# Altium PCB PCB1.PcbDoc (part 2 of 2)
Units mil, origin at the board's own origin, x right, y up, seen from the top; angles counter-clockwise.
Board outline 5944.88 x 3228.35 mil, 4 copper layers (Top Layer, VDD, GND, Bottom Layer), stack 23.756 mil thick; 189 components, 157 nets, 576 pads, 254 vias.
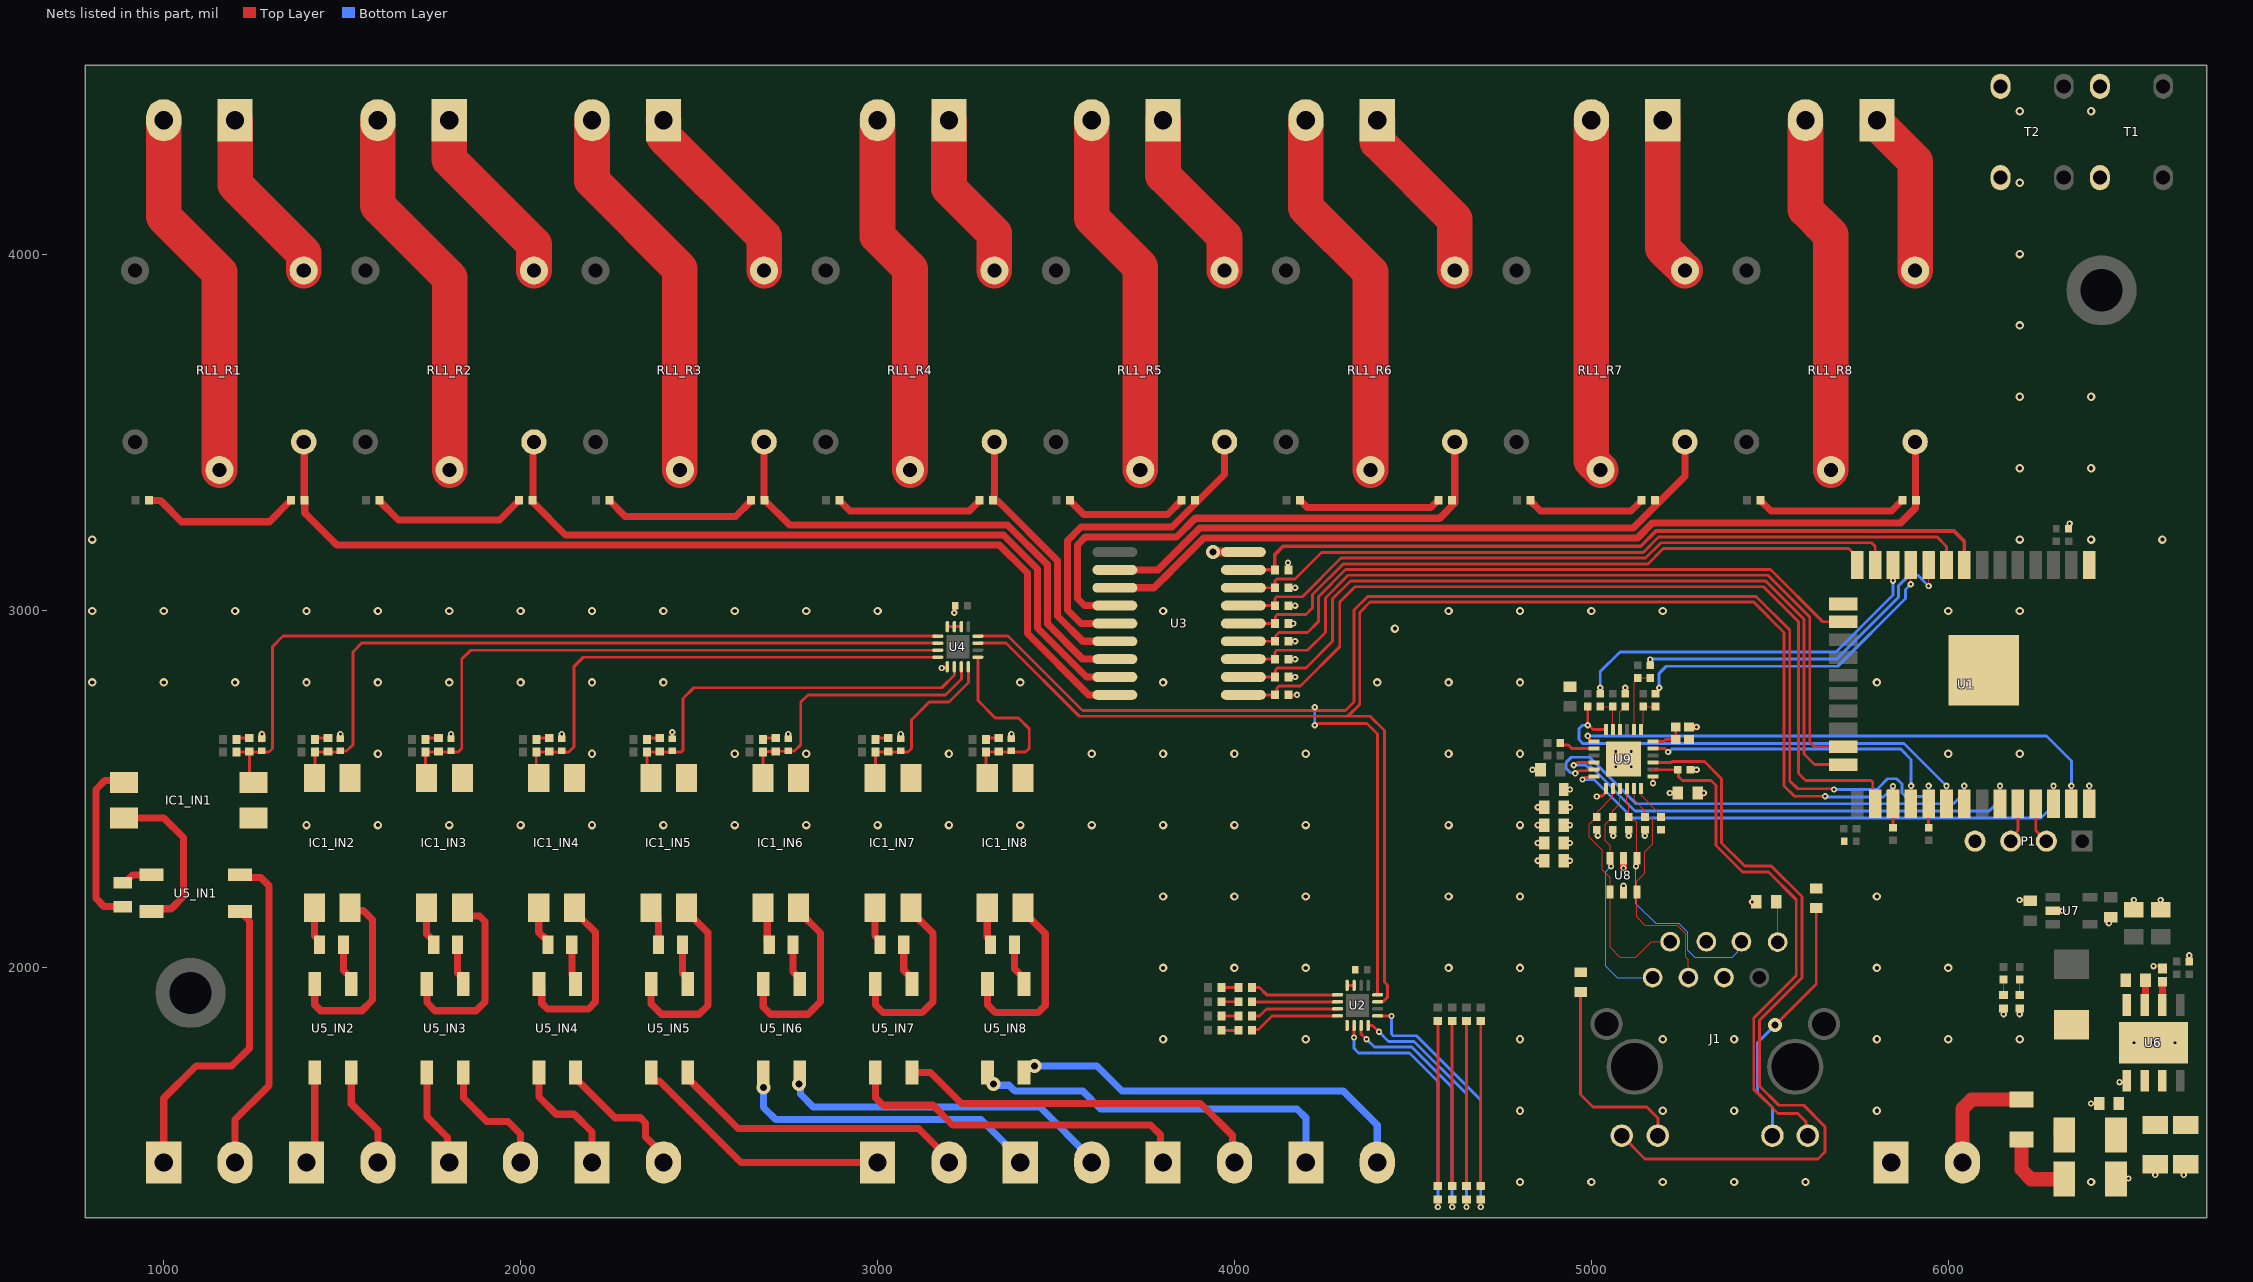
[diagram p4: the nets of this part, all layers, seen from the top]

## Via types
v1: diameter 17.72, hole 7.87, Top Layer to Bottom Layer, tented both sides, 134 vias
v2: diameter 23.62, hole 11.81, Top Layer to Bottom Layer, tented both sides, 109 vias
v3: diameter 39.37, hole 19.68, Top Layer to Bottom Layer, tented both sides, 7 vias
v4: diameter 19.68, hole 7.87, Top Layer to Bottom Layer, tented both sides, 4 vias

## Nets (pads, with @x,y where several pads share a name; then routed paths per layer and width w, separated by ;. In a path a pad name is that pad's centre, name@x,y a point inside that pad or via, vN(x,y) a via of type N, cw(c..) or ccw(c..) an arc to the next point about the centre after c; other vN are vias at no path point) (continued)
GND: C1.2 C2.2 C3.2 C4.2 C5_IN1.2 C5_IN2.2 C5_IN3.2 C5_IN4.2 C5_IN5.2 C5_IN6.2 C5_IN7.2 C5_IN8.2 C7.1 C8.1 C9.1 C10.1 C11.1 C12.2 C13.1 C14.1 C15.1 C16.1 C17.1 C18.1 C19.1 C20.2 C21.1 C22.1 C23.1 C24.1 D12.2 D13.C D14.C IC1_IN1.3 IC1_IN2.3 IC1_IN3.3 IC1_IN4.3 IC1_IN5.3 IC1_IN6.3 IC1_IN7.3 IC1_IN8.3 K3.1 P1.4 R13.1 R14.1 R15.1 R16.1 R17.1 R18.1 R19.1 R20.1 R26.1 R38.1 R39.2 R42.2 R43.2 R45.1 T1.1 T1.2 T2.1 T2.2 U1.1 U1.15 U1.38 U1.39 U2.3 U2.4 U2.9 U3.9 U4.2 U4.3 U4.4 U4.9 U6.1 U6.9 U7.2 U8.2 U9.25 | length 1181.8
  Top Layer w3.5: v1(6155,1870) D13.C@6155,1886.1 ; v1(6200,1870) D14.C@6200,1886.1 ; R26.1@6675,2017.72 v1(6675,2035)
  Top Layer w8: C5_IN2.2@1495,2641.93 v1(1495,2655) ; C5_IN3.2@1805,2641.93 v1(1805,2655) ; C5_IN4.2@2115,2641.93 v1(2115,2655) ; C5_IN5.2@2425,2641.93 v1(2425,2660) ; C5_IN6.2@2750,2641.93 v1(2750,2655) ; C5_IN7.2@3065,2641.93 v1(3065,2655) ; v1(3180,2840) 3181.86,2841.86 3194.62,2841.86 3195.47,2842.71 U4.9@3195.47,2843.9 ; U4.4@3195.47,2956.1 U4.2@3234.84,2956.1 ; v1(3215,2995) 3216.54,2996.54 3216.54,3013.46 C4.2@3218.07,3015 ; C5_IN8.2@3375,2641.93 v1(3375,2655) ; v1(4150,3135) 4150.62,3134.38 4150.62,3115.62 R20.1@4151.23,3115 ; R13.1@4151.23,2765 v1(4175,2765) ; R14.1@4151.23,2815 v1(4170,2815) ; R15.1@4151.23,2865 v1(4170,2865) ; R16.1@4151.23,2915 v1(4170,2915) ; R17.1@4151.23,2965 v1(4165,2965) ; R18.1@4151.23,3015 v1(4170,3015) ; R19.1@4151.23,3065 v1(4170,3065) ; U2.4@4315.47,1951.1 U2.3@4335.16,1951.1 ; v1(4835,2555) C20.2@4857.44,2555 ; R42.2@5095,2767.72 v1(5095,2785) ; R45.1@5277.72,2555 v1(5295,2555) ; v1(6200,2190) 6227.56,2190 C13.1@6230,2187.56 ; U7.2@6292.83,2160 v1(6320,2160) ; C1.2@6336.93,3230 6338.46,3231.54 6338.46,3243.46 v1(6340,3245) ; U1.38@6395,2460 v1(6395,2510) ; v1(6400,1620) C9.1@6422.44,1620 ; v1(6450,2125) 6450,2137.44 C14.1@6455,2142.44 ; D12.2@6470,1407.99 6472.01,1410 v1(6505,1410) ; v1(6480,1680) 6496.3,1680 U6.1@6500,1683.7 ; v1(6520,1790) v1(6575,1790) v1(6635,1790) ; C10.1@6520,2162.4 v1(6520,2190) ; v1(6575,2005) 6593.7,2005 C12.2@6600,1998.7 ; v1(6580,1420) C8.1@6580,1449.88 ; C11.1@6595,2162.4 v1(6595,2190) ; v1(6660,1420) 6660,1444.88 C7.1@6665,1449.88
  Top Layer w20: C5_IN1.2@1275,2641.93 v1(1275,2655) ; v1(4850,2300) C17.1@4867.44,2300 ; v1(4850,2350) C16.1@4867.44,2350 ; v1(4850,2400) C18.1@4867.44,2400 ; v1(4850,2450) C15.1@4867.44,2450 ; v1(5090,2280) U8.2@5090,2307.24 ; C22.1@5273.7,2675 v1(5295,2675) ; C21.1@5297.56,2490 v1(5315,2490) ; v1(5450.86,2185) C19.1@5462.44,2185
  Top Layer w25: v3(3940,3165) U3.9@4025,3165
  other v2: 4800,1400 5000,1400 5200,1400 5400,1400 5600,1400 6400,1400 4800,1600 5200,1600 5400,1600 5800,1600 3800,1800 4200,1800 4800,1800 5200,1800 5400,1800 5800,1800 6000,1800 6200,1800 3800,2000 4000,2000 4200,2000 4600,2000 4800,2000 5800,2000 6000,2000 3800,2200 4000,2200 4200,2200 4600,2200 4800,2200 5800,2200 1400,2400 1600,2400 1800,2400 2000,2400 2200,2400 2400,2400 2600,2400 2800,2400 3000,2400 3200,2400 3400,2400 3600,2400 3800,2400 4000,2400 4200,2400 4600,2400 4800,2400 1600,2600 2200,2600 2600,2600 2800,2600 3200,2600 3600,2600 3800,2600 4000,2600 4200,2600 4600,2600 4800,2600 6000,2600 6200,2600 800,2800 1000,2800 1200,2800 1400,2800 1600,2800 1800,2800 2000,2800 2200,2800 2400,2800 3400,2800 3800,2800 4400,2800 4600,2800 4800,2800 5800,2800 4449.46,2950.54 800,3000 1000,3000 1200,3000 1400,3000 1600,3000 1800,3000 2000,3000 2200,3000 2400,3000 2600,3000 2800,3000 3000,3000 3800,3000 4600,3000 4800,3000 5000,3000 5200,3000 6000,3000 6200,3000 800,3200 6200,3200 6400,3200 6600,3200 6200,3400 6400,3400 6200,3600 6400,3600 6200,3800 6200,4000 6200,4200 6200,4400 6400,4400
  other v4: 5068.35,2563.35 5111.65,2563.35 5068.35,2606.65 5111.65,2606.65
I2C_SCL: R11.1 U1.27 U2.15 U4.15 | length 4444.1
  Top Layer w8: U4.15@3281.1,2909.84 3360.16,2909.84 3565,2705 4317.63,2705 ; U2.15@4401.1,1904.84 4401.45,1905.2 4416.53,1905.2 4428.85,1917.52 4428.85,1951.15 4420,1960 4420,2665 4380,2705 4317.63,2705 ; v1(5655,2480.86) 5569.14,2480.86 5540,2510 5540,2940 5455,3025 4380,3025 4351,2996 4351,2738.37 4317.63,2705 ; R11.1@5845,2392.72 U1.27@5845,2460 v1(5845,2509.14)
  Bottom Layer w8: v1(5655,2480.86) 5656.72,2479.14 5818.37,2479.14 5840.14,2500.91 5840.14,2501.65 5845,2506.51 v1(5845,2509.14)
I2C_SDA: R10.1 U1.29 U2.16 U4.16 | length 4674.7
  Top Layer w8: U4.16@3281.1,2929.53 3365.47,2929.53 3574,2721 4225,2721 ; v1(4225,2680) 4227.63,2680 4232.63,2685 4371.1,2685 4401.1,2655 U2.16@4401.1,1924.53 ; v1(4225,2730) 4225,2721 ; v1(5680,2500) 5678.28,2501.72 5578.28,2501.72 5556,2524 5556,2946.63 5461.63,3041 4483.63,3041 4373.37,3041 4335,3002.63 4335,2892.37 4335,2745 4311,2721 4225,2721 ; R10.1@5945,2392.72 U1.29@5945,2460 v1(5945,2510)
  Bottom Layer w8: v1(4225,2680) v1(4225,2730) ; v1(5680,2500) 5800,2500 5830,2530 5855,2530 5870,2515 5870,2490 5880,2480 5935,2480 5945,2490 v1(5945,2510)
IN_IN1_N: K1_IN1.2 U5_IN1.2 | length 908.6
  Top Layer w20: K1_IN1.2@1200,1455 1200,1575 1295,1670 1295,2230 1272.2,2252.8 1221.14,2252.8 U5_IN1.2@1213.42,2260.51
IN_IN2_N: K1_IN2.2 U5_IN2.2 | length 282.4
  Top Layer w20: U5_IN2.2@1525.51,1706.58 1525.51,1619.49 1600,1545 K1_IN2.2@1600,1455
IN_IN3_N: K1_IN3.2 U5_IN3.2 | length 353.1
  Top Layer w20: U5_IN3.2@1839.68,1706.58 1839.68,1635.32 1905,1570 1965,1570 2000,1535 K1_IN3.2@2000,1455
IN_IN4_N: K1_IN4.2 U5_IN4.2 | length 394.7
  Top Layer w20: U5_IN4.2@2153.84,1706.58 2153.84,1690.83 2264.67,1580 2335,1580 2350,1565 2350,1526.87 2400,1476.87 K1_IN4.2@2400,1455
IN_IN5_N: K1_IN5.2 U5_IN5.2 | length 851.2
  Top Layer w20: U5_IN5.2@2468.01,1706.58 2468.01,1690.83 2608.84,1550 3114.84,1550 3200,1464.84 K1_IN5.2@3200,1455
IN_IN6_N: K1_IN6.2 U5_IN6.2 | length 931.5
  Bottom Layer w20: v3(2780,1675) 2783.71,1671.29 2783.71,1646.29 2820,1610 3454.84,1610 3600,1464.84 K1_IN6.2@3600,1455
IN_IN7_N: K1_IN7.2 U5_IN7.2 | length 1048.9
  Top Layer w20: U5_IN7.2@3096.34,1706.58 3148.43,1706.58 3235,1620 3905,1620 3994.07,1530.93 3994.07,1460.93 K1_IN7.2@4000,1455
IN_IN8_N: K1_IN8.2 U5_IN8.2 | length 1133.3
  Bottom Layer w20: v3(3440,1725) 3615,1725 3685,1655 4305,1655 4400,1560 K1_IN8.2@4400,1455
IN_L_IN1: K1_IN1.1 U5_IN1.1 | length 898.8
  Top Layer w20: K1_IN1.1@1000,1455 1000,1635 1090,1725 1190,1725 1240,1775 1240,2131.57 U5_IN1.1@1213.42,2158.15 1229.17,2158.15 U5_IN1.1@1236.89,2150.43
IN_L_IN2: K1_IN2.1 U5_IN2.1 | length 261.2
  Top Layer w20: K1_IN2.1@1400,1455 1423.15,1478.15 U5_IN2.1@1423.15,1706.58
IN_L_IN3: K1_IN3.1 U5_IN3.1 | length 277.5
  Top Layer w20: U5_IN3.1@1737.32,1706.58 1737.32,1582.68 1795,1525 1795,1460 K1_IN3.1@1800,1455
IN_L_IN4: K1_IN4.1 U5_IN4.1 | length 342.4
  Top Layer w20: U5_IN4.1@2051.48,1706.58 2051.48,1638.52 2100,1590 2150,1590 2200,1540 K1_IN4.1@2200,1455
IN_L_IN5: K1_IN5.1 U5_IN5.1 | length 747.8
  Top Layer w20: U5_IN5.1@2365.65,1706.58 2365.65,1690.83 2373.37,1683.11 2389.11,1683.11 2617.22,1455 K1_IN5.1@3000,1455
IN_L_IN6: K1_IN6.1 U5_IN6.1 | length 845.1
  Bottom Layer w20: v3(2680,1665) 2680,1610 2685,1605 2715,1575 3290,1575 3305,1560 3305,1559.84 3400,1464.84 K1_IN6.1@3400,1455
IN_L_IN7: K1_IN7.1 U5_IN7.1 | length 992.6
  Top Layer w20: U5_IN7.1@2993.98,1706.58 2993.98,1636.02 3015,1615 3155,1615 3210,1560 3765,1560 3792.66,1532.34 3792.66,1462.34 K1_IN7.1@3800,1455
IN_L_IN8: K1_IN8.1 U5_IN8.1 | length 1039.4
  Bottom Layer w20: v3(3325,1675) 3328.71,1671.29 3368.39,1671.29 3384.69,1655 3575,1655 3625,1605 4175,1605 4200,1580 K1_IN8.1@4200,1455
IN_R1: K2_R1.2 RL1_R1.3 | length 1044.7
  Top Layer w100: K2_R1.2@1000,4375 1000,4105 1156.06,3948.94 RL1_R1.3@1156.06,3394.92
IN_R2: K2_R2.2 RL1_R2.3 | length 1063.4
  Top Layer w100: K2_R2.2@1600,4375 1600,4135 1801.06,3933.94 RL1_R2.3@1801.06,3394.92
IN_R3: K2_R3.2 RL1_R3.3 | length 1082
  Top Layer w100: K2_R3.2@2200,4375 2200,4205 2446.06,3958.94 RL1_R3.3@2446.06,3394.92
IN_R4: K2_R4.2 RL1_R4.3 | length 1017.8
  Top Layer w100: K2_R4.2@3000,4375 3000,4050 3091.06,3958.94 RL1_R4.3@3091.06,3394.92
IN_R5: K2_R5.2 RL1_R5.3 | length 1036.4
  Top Layer w100: K2_R5.2@3600,4375 3600,4100 3736.06,3963.94 RL1_R5.3@3736.06,3394.92
IN_R6: K2_R6.2 RL1_R6.3 | length 1055.1
  Top Layer w100: K2_R6.2@4200,4375 4200,4130 4381.06,3948.94 RL1_R6.3@4381.06,3394.92
IN_R7: K2_R7.2 RL1_R7.3 | length 990.9
  Top Layer w100: K2_R7.2@5000,4375 5000,3420.98 RL1_R7.3@5026.06,3394.92
IN_R8: K2_R8.2 RL1_R8.3 | length 1009.5
  Top Layer w100: K2_R8.2@5600,4375 5600,4125 5671.06,4053.94 RL1_R8.3@5671.06,3394.92
INPUT1: C5_IN1.1 D9_IN1.C IC1_IN1.4 R22_IN1.1 U4.5 | length 2367.1
  Top Layer w8: R22_IN1.1@1203.9,2605 1295,2605 1305,2615 1305,2900 1334.53,2929.53 U4.5@3168.9,2929.53 ; D9_IN1.C@1240,2606.1 1240,2531.5 IC1_IN1.4@1251.5,2520 IC1_IN1.4@1241.65,2520
INPUT2: C5_IN2.1 D9_IN2.C IC1_IN2.4 R22_IN2.1 U4.6 | length 2097.7
  Top Layer w8: IC1_IN2.4@1422.36,2531.5 1423.9,2533.03 R22_IN2.1@1423.9,2605 1495,2605 1497.55,2607.55 1512.55,2607.55 1530,2625 1530,2885 1554.84,2909.84 U4.6@3168.9,2909.84
INPUT3: C5_IN3.1 D9_IN3.C IC1_IN3.4 R22_IN3.1 U4.7 | length 1774.2
  Top Layer w8: IC1_IN3.4@1736.53,2531.5 1733.9,2534.13 R22_IN3.1@1733.9,2605 1825,2605 1835,2615 1835,2865 1860.16,2890.16 U4.7@3168.9,2890.16
INPUT4: C5_IN4.1 D9_IN4.C IC1_IN4.4 R22_IN4.1 U4.8 | length 1443.1
  Top Layer w8: IC1_IN4.4@2050.7,2531.5 2043.9,2538.29 R22_IN4.1@2043.9,2605 2135,2605 2150,2620 2150,2845 2175.47,2870.47 U4.8@3168.9,2870.47
INPUT5: C5_IN5.1 D9_IN5.C IC1_IN5.4 R22_IN5.1 U4.10 | length 1137.3
  Top Layer w8: IC1_IN5.4@2364.86,2531.5 2353.9,2542.46 R22_IN5.1@2353.9,2605 2450.31,2605 2455,2609.69 2455,2755 2485,2785 3180,2785 3215.16,2820.16 U4.10@3215.16,2843.9
INPUT6: C5_IN6.1 D9_IN6.C IC1_IN6.4 R22_IN6.1 U4.11 | length 819.6
  Top Layer w8: IC1_IN6.4@2679.03,2531.5 2678.9,2531.63 R22_IN6.1@2678.9,2605 2680,2606.1 2713.9,2606.1 2715,2605 2717.09,2607.09 2747.91,2607.09 2748.38,2607.55 2767.55,2607.55 2785,2625 2785,2745 2805,2765 3190,2765 3234.84,2809.84 U4.11@3234.84,2843.9
INPUT7: C5_IN7.1 D9_IN7.C IC1_IN7.4 R22_IN7.1 U4.12 | length 506.2
  Top Layer w8: IC1_IN7.4@2993.2,2531.5 2993.9,2532.2 R22_IN7.1@2993.9,2605 3085,2605 3095,2615 3095,2695 3145,2745 3200,2745 3254.53,2799.53 U4.12@3254.53,2843.9
INPUT8: C5_IN8.1 D9_IN8.C IC1_IN8.4 R22_IN8.1 U4.13 | length 553.3
  Top Layer w8: U4.13@3281.1,2870.47 3281.1,2748.9 3330,2700 3395,2700 3425,2670 3425,2615 3415,2605 R22_IN8.1@3303.9,2605 3303.9,2534.96 IC1_IN8.4@3307.36,2531.5
LED1: J1.9 U9.3 | length 2167.1
  Top Layer w8: J1.9@5085,1530 5150,1465 5635,1465 5655,1485 5655,1555 5595,1615 5525,1615 5471,1669 5471,1853.37 5590,1972.37 5590,2200 5505,2285 5430,2285 5365,2350 5365,2530 5317.17,2577.83 5226.49,2577.83 5223.82,2575.16 U9.3@5172.68,2575.16
LED2: J1.12 R45.2 | length 1465.9
  Top Layer w8: 5172.68,2555.47 5172.91,2555.24 5242.05,2555.24 5244.46,2552.83 5244.46,2535.54 5255,2525 5335,2525 5349,2511 5349,2343.37 5423.37,2269 5496,2269 5574,2191 5574,1979 5455,1860 5455,1660 5523.35,1591.65 5578.35,1591.65 5601.19,1568.81 5601.19,1535.46 J1.12@5606.65,1530
LED_API_CONNECTED: D7.C U2.12 | length 693.3
  Top Layer w8: U2.12@4374.53,1838.9 4386.96,1838.9 v1(4405,1820.86) ; v1(4650,1330) D7.C@4650,1351.1
  Bottom Layer w8: v1(4405,1820.86) 4431.86,1794 4503.37,1794 4650,1647.37 v1(4650,1330)
LED_CABLE_CONNECTED: D6.C U2.11 | length 697
  Top Layer w8: U2.11@4354.84,1838.9 4354.84,1815.16 v1(4370,1800) ; v1(4610,1330) D6.C@4610,1351.1
  Bottom Layer w8: v1(4370,1800) 4392,1778 4496.75,1778 4610,1664.75 v1(4610,1330)
LED_USER1: D8.C U2.13 | length 737
  Top Layer w8: U2.13@4401.1,1865.47 4401.34,1865.24 4439.76,1865.24 v1(4440,1865) ; v1(4690,1330) D8.C@4690,1351.1
  Bottom Layer w8: v1(4440,1865) 4440,1814.69 4444.69,1810 4510,1810 4690,1630 v1(4690,1330)
LED_USER2: D4.C U2.8 | length 256.8
  Top Layer w8: D4.C@4048.9,1825 4051.33,1827.43 4067.43,1827.43 4105.47,1865.47 U2.8@4288.9,1865.47
LED_USER3: D3.C U2.7 | length 248.4
  Top Layer w8: D3.C@4048.9,1865 4070,1865 4090.16,1885.16 U2.7@4288.9,1885.16
LED_USER4: D2.C U2.6 | length 240.1
  Top Layer w8: D2.C@4048.9,1905 4049.05,1904.84 U2.6@4288.9,1904.84
LED_USER5: D1.C U2.5 | length 248.5
  Top Layer w8: D1.C@4048.9,1945 4070,1945 4090.47,1924.53 U2.5@4288.9,1924.53
LED_WIFI_CONNECTED: D5.C U2.10 | length 710.8
  Top Layer w8: v1(4335,1805) 4335.08,1805.08 4335.08,1838.82 U2.10@4335.16,1838.9 ; v1(4570,1330) D5.C@4570,1351.1
  Bottom Layer w8: v1(4335,1805) 4335,1774.69 4347.69,1762 4490.12,1762 4570,1682.12 v1(4570,1330)
NetC6_2: C6.2 U6.7 | length 69.8
  Top Layer w20: U6.7@6550,1896.3 6550,1915 6552.56,1917.56 C6.2@6552.56,1965
NetC12_1: C12.1 U6.6 | length 65
  Top Layer w20: U6.6@6600,1896.3 C12.1@6600,1961.3
NetC19_2: C19.2 J1.8 | length 112.9
  Top Layer w3.5: J1.8@5522.01,2072.32 5522.01,2184.57 C19.2@5522.44,2185
NetC22_2: C22.2 C23.2 U9.6 | length 101
  Top Layer w8: U9.6@5172.68,2634.21 5201.82,2634.21 5207.61,2640 C23.2@5236.3,2640 C22.2@5236.3,2675
NetD1_A: D1.A R2.1 | length 47.2
  Top Layer w8: R2.1@3963.9,1945 D1.A@4011.1,1945
NetD2_A: D2.A R3.1 | length 47.2
  Top Layer w8: R3.1@3963.9,1905 D2.A@4011.1,1905
NetD3_A: D3.A R4.1 | length 47.2
  Top Layer w8: R4.1@3963.9,1865 D3.A@4011.1,1865
NetD4_A: D4.A R5.1 | length 47.2
  Top Layer w8: R5.1@3963.9,1825 D4.A@4011.1,1825
NetD5_A: D5.A R6.1 | length 462.2
  Top Layer w8: D5.A@4570,1388.9 R6.1@4570,1851.1
NetD6_A: D6.A R7.1 | length 462.2
  Top Layer w8: D6.A@4610,1388.9 R7.1@4610,1851.1
NetD7_A: D7.A R8.1 | length 462.2
  Top Layer w8: D7.A@4650,1388.9 R8.1@4650,1851.1
NetD8_A: D8.A R9.1 | length 462.2
  Top Layer w8: D8.A@4690,1388.9 R9.1@4690,1851.1
NetD9_IN1_A: D9_IN1.A R21_IN1.1 | length 37.7
  Top Layer w8: R21_IN1.1@1203.9,2640 1207.79,2643.9 D9_IN1.A@1240,2643.9
NetD9_IN2_A: D9_IN2.A R21_IN2.1 | length 37.7
  Top Layer w8: R21_IN2.1@1423.9,2640 1427.79,2643.9 D9_IN2.A@1460,2643.9
NetD9_IN3_A: D9_IN3.A R21_IN3.1 | length 37.7
  Top Layer w8: R21_IN3.1@1733.9,2640 1737.79,2643.9 D9_IN3.A@1770,2643.9
NetD9_IN4_A: D9_IN4.A R21_IN4.1 | length 37.7
  Top Layer w8: R21_IN4.1@2043.9,2640 2047.79,2643.9 D9_IN4.A@2080,2643.9
NetD9_IN5_A: D9_IN5.A R21_IN5.1 | length 37.7
  Top Layer w8: R21_IN5.1@2353.9,2640 2357.79,2643.9 D9_IN5.A@2390,2643.9
NetD9_IN6_A: D9_IN6.A R21_IN6.1 | length 37.7
  Top Layer w8: R21_IN6.1@2678.9,2640 2682.79,2643.9 D9_IN6.A@2715,2643.9
NetD9_IN7_A: D9_IN7.A R21_IN7.1 | length 37.7
  Top Layer w8: R21_IN7.1@2993.9,2640 2997.79,2643.9 D9_IN7.A@3030,2643.9
NetD9_IN8_A: D9_IN8.A R21_IN8.1 | length 37.7
  Top Layer w8: R21_IN8.1@3303.9,2640 3307.79,2643.9 D9_IN8.A@3340,2643.9
NetD10_R1_A: D10_R1.A R24_R1.1 | length 447.5
  Top Layer w20: R24_R1.1@958.9,3310 990,3310 1050,3250 1296.1,3250 1353.9,3307.8 1354.88,3307.8 1356.1,3309.02 D10_R1.A@1356.1,3310
NetD10_R2_A: D10_R2.A R24_R2.1 | length 438.9
  Top Layer w20: R24_R2.1@1603.9,3310 1603.9,3309.02 1657.91,3255 1941.1,3255 1993.9,3307.8 1994.88,3307.8 1996.1,3309.02 D10_R2.A@1996.1,3310
NetD10_R3_A: D10_R3.A R24_R3.1 | length 435.6
  Top Layer w20: R24_R3.1@2248.9,3310 2250.12,3308.78 2250.12,3307.8 2292.91,3265 2602.09,3265 2646.1,3309.02 D10_R3.A@2646.1,3310
NetD10_R4_A: D10_R4.A R24_R4.1 | length 418.2
  Top Layer w20: R24_R4.1@2893.9,3310 2895.12,3308.78 2895.12,3307.8 2922.91,3280 3257.09,3280 3284.88,3307.8 3284.88,3308.78 D10_R4.A@3286.1,3310
NetD10_R5_A: D10_R5.A R24_R5.1 | length 346.5
  Top Layer w20: R24_R5.1@3538.9,3310 3538.9,3309.02 3577.91,3270 3812.09,3270 3851.1,3309.02 D10_R5.A@3851.1,3310
NetD10_R6_A: D10_R6.A R24_R6.1 | length 404.9
  Top Layer w20: R24_R6.1@4183.9,3310 4183.9,3309.02 4185.12,3307.8 4186.1,3307.8 4203.9,3290 4551.1,3290 4568.9,3307.8 4569.88,3307.8 4571.1,3309.02 D10_R6.A@4571.1,3310
NetD10_R7_A: D10_R7.A R24_R7.1 | length 338.2
  Top Layer w20: R24_R7.1@4828.9,3310 4828.9,3309.02 4857.91,3280 5111.1,3280 5138.9,3307.8 5139.88,3307.8 5141.1,3309.02 D10_R7.A@5141.1,3310
NetD10_R8_A: D10_R8.A R24_R8.1 | length 423.2
  Top Layer w20: R24_R8.1@5473.9,3310 5473.9,3309.02 5502.91,3280 5841.1,3280 5868.9,3307.8 5869.88,3307.8 5871.1,3309.02 D10_R8.A@5871.1,3310
NetD11_2: D11.2 F1.2 | length 215.1
  Top Layer w40: F1.2@6205,1518.9 6205,1435 6232.01,1407.99 D11.2@6325,1407.99
NetD13_A: D13.A R27.1 | length 43.4
  Top Layer w3.5: D13.A@6155,1923.9 R27.1@6155,1967.28
NetD14_A: D14.A R28.1 | length 43.4
  Top Layer w3.5: D14.A@6200,1923.9 R28.1@6200,1967.28
NetIC1_IN1_1: IC1_IN1.1 R23_IN1.2 | length 480.6
  Top Layer w20: R23_IN1.2@885,2171.54 833.46,2171.54 810,2195 810,2500 835,2525 883.5,2525 IC1_IN1.1@888.5,2520
NetIC1_IN1_2: IC1_IN1.2 U5_IN1.4 | length 461.2
  Top Layer w20: IC1_IN1.2@888.5,2420 1000,2420 1055,2365 1055,2200 1020.87,2165.87 973.11,2165.87 U5_IN1.4@965.39,2158.15
NetIC1_IN2_1: IC1_IN2.1 R23_IN2.2 | length 109.4
  Top Layer w20: IC1_IN2.1@1422.36,2168.5 1422.36,2089.8 1436.54,2075.63 R23_IN2.2@1436.54,2065
NetIC1_IN2_2: IC1_IN2.2 U5_IN2.4 | length 540.5
  Top Layer w20: U5_IN2.4@1423.15,1954.61 1423.15,1896.85 1440,1880 1555,1880 1585,1910 1585,2135 1560,2160 1530.87,2160 IC1_IN2.2@1522.36,2168.5
NetIC1_IN3_1: IC1_IN3.1 R23_IN3.2 | length 111.8
  Top Layer w20: IC1_IN3.1@1736.53,2168.5 1736.53,2095.64 1756.54,2075.63 R23_IN3.2@1756.54,2065
NetIC1_IN3_2: IC1_IN3.2 U5_IN3.4 | length 540.7
  Top Layer w20: U5_IN3.4@1737.32,1954.61 1737.32,1902.68 1760,1880 1875,1880 1900,1905 1900,2130 1884.34,2145.66 1856.06,2145.66 1836.53,2165.19 IC1_IN3.2@1836.53,2168.5
NetIC1_IN4_1: IC1_IN4.1 R23_IN4.2 | length 115.6
  Top Layer w20: IC1_IN4.1@2050.7,2168.5 2050.7,2099.13 2062.41,2087.42 2064.75,2087.42 2076.54,2075.63 R23_IN4.2@2076.54,2065
NetIC1_IN4_2: IC1_IN4.2 U5_IN4.4 | length 511.1
  Top Layer w20: U5_IN4.4@2051.48,1954.61 2059.2,1946.89 2059.2,1900.8 2075,1885 2190,1885 2210,1905 2210,2100 2190.86,2119.14 2190.21,2119.14 2150.7,2158.66 IC1_IN4.2@2150.7,2168.5
NetIC1_IN5_1: IC1_IN5.1 R23_IN5.2 | length 112.5
  Top Layer w20: IC1_IN5.1@2364.86,2168.5 2364.86,2158.66 2386.54,2136.99 R23_IN5.2@2386.54,2065
NetIC1_IN5_2: IC1_IN5.2 U5_IN5.4 | length 535.5
  Top Layer w20: U5_IN5.4@2365.65,1954.61 2365.65,1899.35 2395,1870 2500,1870 2525,1895 2525,2098.52 2464.86,2158.66 IC1_IN5.2@2464.86,2168.5
NetIC1_IN6_1: IC1_IN6.1 R23_IN6.2 | length 110.8
  Top Layer w20: IC1_IN6.1@2679.03,2168.5 2690.79,2156.75 2690.79,2070.75 R23_IN6.2@2696.54,2065
NetIC1_IN6_2: IC1_IN6.2 U5_IN6.4 | length 536.2
  Top Layer w20: U5_IN6.4@2679.82,1954.61 2679.82,1890.18 2700,1870 2805,1870 2840,1905 2840,2097.69 2779.03,2158.66 IC1_IN6.2@2779.03,2168.5
NetIC1_IN7_1: IC1_IN7.1 R23_IN7.2 | length 109
  Top Layer w20: IC1_IN7.1@2993.2,2168.5 2993.2,2088.97 3006.54,2075.63 R23_IN7.2@3006.54,2065
NetIC1_IN7_2: IC1_IN7.2 U5_IN7.4 | length 529.8
  Top Layer w20: U5_IN7.4@2993.98,1954.61 2993.98,1896.02 3015,1875 3125,1875 3155,1905 3155,2096.86 3093.2,2158.66 IC1_IN7.2@3093.2,2168.5
NetIC1_IN8_1: IC1_IN8.1 R23_IN8.2 | length 107.3
  Top Layer w20: IC1_IN8.1@3307.36,2168.5 3307.36,2084.8 3316.54,2075.63 R23_IN8.2@3316.54,2065
NetIC1_IN8_2: IC1_IN8.2 U5_IN8.4 | length 536.4
  Top Layer w20: U5_IN8.4@3308.15,1954.61 3308.15,1896.85 3330,1875 3450,1875 3470,1895 3470,2096.02 3407.36,2158.66 IC1_IN8.2@3407.36,2168.5
NetJ1_10: J1.10 R38.2 | length 579.9
  Top Layer w8: R38.2@4970,1932.44 4970,1645 5005,1610 5155,1610 5186.38,1578.62 J1.10@5186.38,1530
NetJ1_11: J1.11 R39.1 | length 723.3
  Top Layer w8: v3(5515,1840) 5630,1955 R39.1@5630,2167.44
  Bottom Layer w8: J1.11@5507.24,1530 5507.24,1608.82 5465,1651.06 5465,1790 v3(5515,1840)
NetR23_IN1_1: R23_IN1.1 U5_IN1.3 | length 92.2
  Top Layer w20: R23_IN1.1@885,2238.46 895.63,2238.46 901.38,2244.21 901.38,2248.8 913.09,2260.51 U5_IN1.3@965.39,2260.51
NetR23_IN2_1: R23_IN2.1 U5_IN2.3 | length 119.5
  Top Layer w20: R23_IN2.1@1503.46,2065 1503.46,1992.4 1525.51,1970.35 U5_IN2.3@1525.51,1954.61
NetR23_IN3_1: R23_IN3.1 U5_IN3.3 | length 117.1
  Top Layer w20: R23_IN3.1@1823.46,2065 1823.46,1986.57 1839.68,1970.35 U5_IN3.3@1839.68,1954.61
NetR23_IN4_1: R23_IN4.1 U5_IN4.3 | length 114.7
  Top Layer w20: R23_IN4.1@2143.46,2065 2143.46,1980.73 2153.84,1970.35 U5_IN4.3@2153.84,1954.61
NetR23_IN5_1: R23_IN5.1 U5_IN5.3 | length 116.4
  Top Layer w20: R23_IN5.1@2453.46,2065 2453.46,1984.9 2468.01,1970.35 U5_IN5.3@2468.01,1954.61
NetR23_IN6_1: R23_IN6.1 U5_IN6.3 | length 118.1
  Top Layer w20: R23_IN6.1@2763.46,2065 2763.46,1989.07 2782.18,1970.35 U5_IN6.3@2782.18,1954.61
NetR23_IN7_1: R23_IN7.1 U5_IN7.3 | length 119.9
  Top Layer w20: R23_IN7.1@3073.46,2065 3073.46,1993.23 3096.34,1970.35 U5_IN7.3@3096.34,1954.61
NetR23_IN8_1: R23_IN8.1 U5_IN8.3 | length 121.6
  Top Layer w20: R23_IN8.1@3383.46,2065 3383.46,1997.4 3410.51,1970.35 U5_IN8.3@3410.51,1954.61
NetR33_1: R33.1 R40.1 U9.8 | length 183.9
  Top Layer w3.5: U9.8@5119.53,2667.68 5119.53,2801.81 R33.1@5130,2812.28 R40.1@5165,2812.28
NetR34_1: R34.1 R41.1 U9.7 | length 102
  Top Layer w3.5: U9.7@5139.21,2667.68 5139.21,2677.91 5145,2683.7 R34.1@5145,2732.28 R41.1@5180,2732.28
NetR35_1: R35.1 R44.1 U9.11 | length 99.8
  Top Layer w3.5: R44.1@5025,2732.28 R35.1@5060,2732.28 5060.47,2731.81 U9.11@5060.47,2667.68
NetR37_1: R37.1 U9.14 | length 101
  Top Layer w8: R37.1@4912.72,2630 4918.26,2624.46 4935.54,2624.46 4945,2615 5006.85,2615 U9.14@5007.32,2614.53
NetR42_1: R42.1 U9.10 | length 70.8
  Top Layer w3.5: U9.10@5080.16,2667.68 5080.16,2717.44 R42.1@5095,2732.28
NetR43_1: R43.1 U9.24 | length 100.6
  Top Layer w3.5: U9.24@5139.21,2502.32 5139.8,2501.73 5139.8,2483.38 5186.44,2436.74 5186.44,2426.28 R43.1@5190,2422.72
NO_R1: K2_R1.1 RL1_R1.4 | length 500.7
  Top Layer w100: K2_R1.1@1200,4375 1200.79,4374.21 1200.79,4194.21 1392.28,4002.72 RL1_R1.4@1392.28,3953.98
NO_R2: K2_R2.1 RL1_R2.4 | length 519.3
  Top Layer w100: K2_R2.1@1800,4375 1800,4265 2037.28,4027.72 RL1_R2.4@2037.28,3953.98
NO_R3: K2_R3.1 RL1_R3.4 | length 537.9
  Top Layer w100: K2_R3.1@2400,4375 2400.79,4374.21 2400.79,4329.21 2682.28,4047.72 RL1_R3.4@2682.28,3953.98
NO_R4: K2_R4.1 RL1_R4.4 | length 473.7
  Top Layer w100: K2_R4.1@3200,4375 3200,4185 3327.28,4057.72 RL1_R4.4@3327.28,3953.98
NO_R5: K2_R5.1 RL1_R5.4 | length 492.4
  Top Layer w100: K2_R5.1@3800,4375 3800,4220 3972.28,4047.72 RL1_R5.4@3972.28,3953.98
NO_R6: K2_R6.1 RL1_R6.4 | length 511
  Top Layer w100: K2_R6.1@4400,4375 4400.79,4374.21 4400.79,4314.21 4617.28,4097.72 RL1_R6.4@4617.28,3953.98
NO_R7: K2_R7.1 RL1_R7.4 | length 446.8
  Top Layer w100: K2_R7.1@5200,4375 5200,4016.26 RL1_R7.4@5262.28,3953.98
NO_R8: K2_R8.1 RL1_R8.4 | length 456.1
  Top Layer w100: K2_R8.1@5800.79,4365.94 5907.28,4259.45 RL1_R8.4@5907.28,3953.98
PWR_SUPPLY: C7.2 C8.2 C9.2 D11.1 D12.1 U6.2 U6.3 | length 19.4
  Top Layer w60: D11.1@6325,1532.01 6325,1550.71 D11.1@6325.51,1551.22
PWR_SUPPLY_IN: F1.1 K3.2 | length 325.8
  Top Layer w40: K3.2@6040,1455 6040,1605 6066.1,1631.1 F1.1@6205,1631.1
RELAY1: D10_R1.C RL1_R1.2 U3.18 | length 2782.8
  Top Layer w20: RL1_R1.2@1392.28,3473.66 1393.9,3472.05 D10_R1.C@1393.9,3310 ; D10_R1.C@1393.9,3311.22 1392.68,3310 1392.91,3310 1395.12,3307.8 1395.12,3274.88 1485,3185 3341.21,3185 3420,3106.21 3420,2936.61 3591.61,2765 U3.18@3665,2765
RELAY2: D10_R2.C RL1_R2.2 U3.17 | length 2100
  Top Layer w20: RL1_R2.2@2037.28,3473.66 2035.12,3471.5 2035.12,3309.04 2035.12,3303.78 2125.9,3213 3282,3213 3352.8,3213 3448,3117.8 3448,2952.4 3585.4,2815 U3.17@3665,2815
RELAY3: D10_R3.C RL1_R3.2 U3.16 | length 1426
  Top Layer w20: RL1_R3.2@2682.28,3473.66 2682.28,3312.72 2754,3241 3309,3241 3364.4,3241 3476,3129.4 3476,2964 3575,2865 U3.16@3665,2865
RELAY4: D10_R4.C RL1_R4.2 U3.15 | length 760.1
  Top Layer w20: RL1_R4.2@3327.28,3473.66 3327.28,3322.67 3325.12,3320.5 3325.12,3307.8 3337.2,3307.8 3504,3141 3504,2986 3575,2915 U3.15@3665,2915
RELAY5: D10_R5.C RL1_R5.2 U3.14 | length 951.1
  Top Layer w20: U3.14@3665,2965 3570,2965 3532,3003 3532,3197 3570,3235 3825,3235 3972.28,3382.28 RL1_R5.2@3972.28,3473.66
RELAY6: D10_R6.C RL1_R6.2 U3.13 | length 1540.5
  Top Layer w20: U3.13@3665,3015 3664.44,3015.56 3579.44,3015.56 3560,3035 3560,3185 3582,3207 3837.4,3207 3890.4,3260 4575,3260 4617.28,3302.28 RL1_R6.2@4617.28,3473.66
RELAY7: D10_R7.C RL1_R7.2 U3.11 | length 1802.3
  Top Layer w20: U3.11@3665,3115 3785,3115 3902,3232 5117,3232 5235,3350 5262.28,3377.28 RL1_R7.2@5262.28,3473.66
RELAY8: D10_R8.C RL1_R8.2 U3.12 | length 2523.3
  Top Layer w20: U3.12@3665,3065 3775,3065 3820,3110 3820,3110.4 3913.6,3204 5128.6,3204 5171.6,3247 5867,3247 5907.68,3287.68 5907.68,3307.8 5909.88,3310 5910,3310 5908.09,3311.91 5908.09,3472.85 RL1_R8.2@5907.28,3473.66
RELAY_LOG1: R13.2 U1.26 U3.1 | length 2508.8
  Top Layer w8: U3.1@4025,2765 R13.2@4113.44,2765 4118.92,2770.48 4118.92,2783.92 4125,2790 4185,2790 4295,2900 4295,3025 4338,3068 5482,3068 5580,2970 5580,2545 5600,2525 5783.63,2525 5788.32,2520.31 5788.32,2466.68 U1.26@5795,2460
RELAY_LOG2: R14.2 U1.24 U3.2 | length 2306.9
  Top Layer w8: U3.2@4025,2815 R14.2@4113.44,2815 4115,2816.56 4115,2835 4120,2840 4200,2840 4275,2915 4275,3034.18 4324.82,3084 5488.63,3084 5596,2976.63 5596,2599 5625.35,2569.65 U1.24@5705.63,2569.65
RELAY_LOG3: R15.2 U1.23 U3.3 | length 2250.7
  Top Layer w8: U3.3@4025,2865 R15.2@4113.44,2865 4113.44,2885.31 4118.12,2890 4205,2890 4255,2940 4255,3036.8 4318.2,3100 5495.25,3100 5612,2983.25 5612,2633 5625.35,2619.65 U1.23@5705.63,2619.65
RELAY_LOG4: R16.2 U1.16 U3.4 | length 1873.1
  Top Layer w8: U3.4@4025,2915 R16.2@4113.44,2915 4115,2916.56 4115,2930 4125,2940 4205,2940 4235,2970 4235,3039.43 4311.57,3116 5501.88,3116 5648.24,2969.65 U1.16@5705.63,2969.65
RELAY_LOG5: R17.2 U1.14 U3.5 | length 1871.2
  Top Layer w8: U3.5@4025,2965 R17.2@4113.44,2965 4115,2966.56 4115,2985 4120,2990 4200,2990 4219,3009 4219,3046.06 4304.94,3132 5158.42,3132 5201.42,3175 5720.94,3175 5745.28,3150.67 U1.14@5745.28,3129.29
RELAY_LOG6: R18.2 U1.13 U3.6 | length 1914
  Top Layer w8: U3.6@4027.34,3017.34 U3.6@4025,3015 R18.2@4113.44,3015 4113.44,3035.31 4118.12,3040 4190.31,3040 4298.31,3148 5151.79,3148 5194.79,3191 5784.94,3191 5795.28,3180.66 U1.13@5795.28,3129.29
RELAY_LOG7: R20.2 U1.8 U3.8 | length 2168.4
  Top Layer w10: U3.8@4025,3115 R20.2@4113.44,3115 4113.44,3158.44 4136,3181 5138.12,3181 5181.12,3224 6016,3224 6045.28,3194.72 U1.8@6045.28,3129.29
RELAY_LOG8: R19.2 U1.9 U3.7 | length 2103.3
  Top Layer w8: U3.7@4025,3065 R19.2@4113.44,3065 4113.44,3085.31 4118.12,3090 4170,3090 4244,3164 5145.17,3164 5188.17,3207 5968.94,3207 5995.28,3180.66 U1.9@5995.28,3129.29
RMII_CLK_OUT_180: U1.28 U9.5 | length 867
  Top Layer w8: U9.5@5172.68,2614.53 5205.46,2614.53 v1(5215,2605) ; U1.28@5895,2460 5895.86,2460.86 v1(5895.86,2510)
  Bottom Layer w8: v1(5215,2605) 5216.4,2605 5224.54,2613.14 5866.86,2613.14 5895.86,2584.14 v1(5895.86,2510)
RMII_CRS_DV: R44.2 U1.12 | length 1055.6
  Top Layer w3.5: R44.2@5025,2767.72 v1(5025,2785) ; v1(5845,3085) U1.12@5845,3129.29
  Bottom Layer w8: v1(5025,2785) 5025,2830 5080,2885 5685,2885 5845,3045 v1(5845,3085)
RMII_MDC: U1.37 U9.13 | length 1533
  Top Layer w8: v1(4990,2650) 4990,2647.37 4995.57,2641.8 4995.57,2635.72 4997.09,2634.21 U9.13@5007.32,2634.21 ; U1.37@6345,2460 v1(6345,2510)
  Bottom Layer w8: v1(4990,2650) 6275,2650 6345,2580 v1(6345,2510)
RMII_MDIO: R36.1 U1.30 U9.12 | length 1311.4
  Top Layer w8: R36.1@4990,2732.28 v1(4990,2680) 4992.63,2680 5004.95,2667.68 U9.12@5040.79,2667.68 U9.12@5040.79,2677.91 ; U1.30@5995,2460 v1(5995,2510)
  Bottom Layer w8: v1(4990,2680) 4975,2680 4965,2670 4965,2640 4975.86,2629.14 5875.86,2629.14 v1(5995,2510)
RMII_RXD0: R40.2 U1.10 | length 984.7
  Top Layer w3.5: R40.2@5165,2847.72 v1(5165,2864.14) ; v1(5945,3070) U1.10@5945,3129.29
  Bottom Layer w8: v1(5165,2864.14) 5165.86,2865 5687.63,2865 5861,3038.37 5861,3070.5 5890.5,3100 5915,3100 v1(5945,3070)
RMII_RXD1: R41.2 U1.11 | length 939.2
  Top Layer w3.5: R41.2@5180,2767.72 5189.08,2776.79 5189.08,2784.08 v1(5190,2785) ; v1(5895,3075) U1.11@5895,3129.29
  Bottom Layer w8: v1(5190,2785) 5190,2825.31 5209.69,2845 5690.25,2845 5880,3034.75 5880,3060 v1(5895,3075)
RMII_TX_EN: U1.33 U9.16 | length 1409.6
  Top Layer w8: v1(4950.54,2567.58) 4953.17,2567.58 4960.75,2575.16 U9.16@5007.32,2575.16 ; U1.33@6145,2460 v1(6145,2510)
  Bottom Layer w8: v1(4950.54,2567.58) 4983.68,2567.58 4988.79,2562.47 5000.13,2562.47 5122.6,2440 6115,2440 6145,2470 v1(6145,2510)
RMII_TXD0: U1.31 U9.17 | length 1362.6
  Top Layer w8: v1(4955,2545) 4957.63,2545 4964.83,2552.2 4984.21,2552.2 4985.97,2553.96 5005.81,2553.96 U9.17@5007.32,2555.47 ; U1.31@6045,2460 v1(6045,2510)
  Bottom Layer w8: v1(4955,2545) 4953.28,2546.72 4941.9,2546.72 4929.68,2558.94 4929.68,2576.22 4943.79,2590.32 4994.91,2590.32 5125.23,2460 6015,2460 6044.14,2489.14 6044.14,2509.14 v1(6045,2510)
RMII_TXD1: U1.36 U9.18 | length 1519.8
  Top Layer w8: v1(4975,2527.59) 4977.63,2527.59 4984.32,2534.28 5005.81,2534.28 U9.18@5007.32,2535.79 ; U1.36@6295,2460 v1(6295,2510)
  Bottom Layer w8: v1(4975,2527.59) 5007.41,2527.59 5115,2420 6260,2420 6295,2455 v1(6295,2510)
RX_N: J1.6 R29.2 U8.1 U9.22 | length 754.3
  Top Layer w3.5: U9.22@5099.84,2502.32 5099.84,2460.16 5105,2455 R29.2@5105,2422.72 5112.72,2415 5120,2415 5127.4,2407.6 U8.1@5127.4,2307.24 5127.4,2287.4 v1(5125,2285)
  Bottom Layer w3.5: v1(5125,2285) 5125,2180 5180,2125 5245,2125 5270,2100 5270,2050 5290,2030 5395,2030 5410.75,2045.75 5410.75,2063.43 J1.6@5420.63,2073.31
RX_P: J1.3 R30.2 U8.6 U9.23 | length 692.8
  Top Layer w3.5: U9.23@5119.53,2502.32 5119.53,2470.47 5150,2440 R30.2@5150,2422.72 5167.28,2422.72 5172.5,2417.5 5172.5,2347.5 5150,2325 5150,2265 5127.4,2242.4 U8.6@5127.4,2212.76 5127.4,2142.6 5150,2120 5240,2120 5265,2095 5265,2030 5272.01,2022.99 J1.3@5272.01,1972.91
SW_OUT: C6.1 L1.1 U6.8
TD_N: J1.2 R31.2 U8.4 U9.20 | length 693.9
  Top Layer w3.5: U9.20@5060.47,2502.32 5060.47,2480.47 5016.74,2436.74 5016.74,2424.46 4998.65,2406.36 4994.42,2402.15 4994.42,2365.58 5030,2330 5030,2275 5052.6,2252.4 U8.4@5052.6,2212.76 5052.6,2057.4 5080,2030 5125,2030 5168.31,2073.31 J1.2@5220.83,2073.31
TD_P: J1.1 R32.2 U8.3 U9.21 | length 671.8
  Top Layer w3.5: 5045.17,2407.89 5039.42,2402.15 5039.42,2355.58 5052.6,2342.4 U8.3@5052.6,2307.24 5055,2304.84 v1(5055,2285) ; 5045.18,2407.89 R32.2@5060,2422.72 5060,2440 5080.16,2460.16 U9.21@5080.16,2502.32
  Bottom Layer w3.5: v1(5055,2285) 5040,2270 5040,2005 5072.09,1972.91 J1.1@5171.61,1972.91
UART_RX: P1.3 U1.34 | length 113.3
  Top Layer w8: P1.3@6175,2355 6175,2365.21 6195,2385.21 U1.34@6195,2460
UART_TX: P1.2 U1.35 | length 117.4
  Top Layer w8: U1.35@6245,2460 6245,2385 P1.2@6275,2355
VDD_ETH_FILTERED: C15.2 C16.2 C17.2 C18.2 C21.2 J1.4 J1.5 L2.1 R29.1 R30.1 R31.1 R32.1 U8.5 U9.1 U9.19 | length 256.6
  Top Layer w3.5: C17.2@4922.56,2300 v1(4940,2300) ; C16.2@4922.56,2350 v1(4940,2350) ; C18.2@4922.56,2400 v1(4940,2400) ; L2.1@4922.56,2500 v1(4940,2500) ; R31.1@5015,2387.28 5018.21,2384.07 v1(5018.21,2370.68) ; R32.1@5060,2387.28 5061.19,2386.09 v1(5061.19,2370.05) ; U8.5@5090,2212.76 v1(5090,2230) ; v1(5105,2370) R29.1@5105,2387.28 ; v1(5150,2370) R30.1@5150,2387.28
  Top Layer w8: C15.2@4922.56,2450 v1(4940,2450) ; v1(5015,2480) 5016.86,2481.86 5030.56,2481.86 5040.79,2492.09 U9.19@5040.79,2502.32 ; v1(5172.68,2517.32) U9.1@5172.68,2535.79 ; v1(5220,2490) C21.2@5242.44,2490
pads on no net: J1.7 J1.13 RL1_R1.5 RL1_R2.5 RL1_R3.5 RL1_R4.5 RL1_R5.5 RL1_R6.5 RL1_R7.5 RL1_R8.5 U1.4 U1.5 U1.6 U1.7 U1.17 U1.18 U1.19 U1.20 U1.21 U1.22 U1.32 U2.14 U2.17 U4.14 U4.17 U6.4 U7.4 U9.4 U9.t2

## Polygon pours and split planes (outlines as drawn)
GND on Top Layer "GND_L01_P011" (solid, remove dead copper, pour order 11): 780,1300 6722.09,1300 6724.4,1302.31 6724.4,4532.31 779.42,4532.31 779.39,4532.33
5V on Top Layer "5V_L01_P006" (solid, pour order 6): 6180,1990 6245,1990 6245,1940 6400,1940 6480,2020 6650,2020 6655,2025 6655,2125 6490,2125 6455,2090 6350,2089.47 6350,2220 6180,2220
SW_OUT on Top Layer "SW_OUT_L01_P005" (solid, pour order 5): 6245,1785 6460,1785 6460,1860 6530,1860 6530,1995 6470,1995 6445,1970 6405,1930 6245,1930 6245,1910
PWR_SUPPLY on Top Layer "PWR_SUPPLY_L01_P004" (solid, pour order 4): 6275,1485 6290,1470 6510,1470 6540,1500 6715,1500 6724.89,1509.89 6724.89,1615.11 6700,1640 6635,1640 6625,1650 6625,1720 6620,1725 6530,1725 6525,1720 6525,1640 6465,1640 6455,1630 6455,1599.76 6445.34,1590.1 6290.1,1590.1 6275,1575
3V3 on VDD "3V3_L02_P010" (solid, remove dead copper, pour order 10): 780,1300 6722.09,1300 6724.4,1302.31 6724.4,4532.31 779.42,4532.31 779.39,4532.33
VDD_ETH_FILTERED on VDD "VDD_ETH_FILTERED_L02_P003" (solid, pour order 3): 4905.01,2695 5250,2695 5250,2450 5560,2140 5560,1930 5520,1890 5105,1890 4904.84,2090.16
GND on Bottom Layer "GND_L04_P008" (solid, remove dead copper, pour order 8): 780,1300 6722.09,1300 6724.4,1302.31 6724.4,4532.31 779.42,4532.31 779.39,4532.33
GND on GND "GND_L03_P009" (solid, remove dead copper, pour order 9): 780,1300 6722.09,1300 6724.4,1302.31 6724.4,4532.31 779.42,4532.31 779.39,4532.33

## Other copper
Top Layer:
  pour cut-out: 780.03,3260.03 5999.99,3260.03 5999.99,4525.03 5999.99,4530.03 779.39,4532.33
  pour cut-out: 780,1300 780,2630 1115,2630 1115,2490 1265,2340 3730,2340 3730,1825 3795,1760 4460,1760 4540,1680 4540,1300
  pour cut-out: 6415,3175 6725,3175 6725,2410 6415,2410
  region: 5172.68,2555.47 5173.15,2555
VDD:
  pour cut-out: 780.04,3260 6000,3260 6000,4525 6000,4530 779.4,4532.31
  pour cut-out: 780,1300 780,2630 1115,2630 1115,2490 1265,2340 3730,2340 3730,1825 3795,1760 4460,1760 4540,1680 4540,1300
  pour cut-out: 6415,3175 6725,3175 6725,2410 6415,2410
GND:
  pour cut-out: 779.98,3260.03 5999.94,3260.03 5999.94,4525.03 5999.94,4530.03 779.34,4532.33
  pour cut-out: 780,1300 780,2630 1115,2630 1115,2490 1265,2340 3730,2340 3730,1825 3795,1760 4460,1760 4540,1680 4540,1300
  pour cut-out: 6415,3175 6725,3175 6725,2410 6415,2410
Bottom Layer:
  pour cut-out: 779.98,3260.03 5999.94,3260.03 5999.94,4525.03 5999.94,4530.03 779.34,4532.33
  pour cut-out: 780,1300 780,2630 1115,2630 1115,2490 1265,2340 3730,2340 3730,1825 3795,1760 4460,1760 4540,1680 4540,1300
  pour cut-out: 6415,3175 6725,3175 6725,2410 6415,2410

## Silkscreen, mask and mechanical layers (free items; w line width, h text height)
Top Overlay:
  lines w10: 3470,2585 3325,2585 ; 6650,2050 6690,2050 6690,2280 ; 3325,2585 3325,2660 3245,2660 3245,2585 3325,2585 ; 5185,2305 5215,2305 5215,2365 ; 5185,2305 5185,2195 5425,2195 5425,2305 5185,2305 ; 5215,2365 5215,2445 4995,2445 4995,2365 5215,2365 ; 4910,2710 4910,2815 5105,2815 5105,2870 5205,2870 5205,2710 4910,2710 ; 4910,2905 4910,3020 5115,3020 5115,3115 5240,3115 5240,2905 4910,2905
  text "BOOT" at 6089,4291 h30 r90
  text "RESET" at 6689,4291 h30 r90
  text "ESP32-8IN-8OUT-RELAY-ETH / v0.1" at 940,3015 h50
  text "GND RX TX 3V3" at 6036,2261 h30
  text "USER5" at 4086,1931 h30
  text "USEr4" at 4086,1891 h30
  text "3.3V / 5V" at 6115,1875 h30 r90
  text "USER3" at 4086,1851 h30
  text "USER2" at 4086,1811 h30
  text "WIFI" at 4584,1421 h30 r90
  text "CABLE" at 4624,1421 h30 r90
  text "API" at 4664,1421 h30 r90
  text "USER1" at 4704,1421 h30 r90
  text "GND" at 5719,1311 h40 r90
  text "9- / 24V" at 6255,1305 h30 r90

## Text inside footprints (layer, text, board x,y; h text height)
U5_IN1: Top Overlay "~" at 1207.52,2233.94 h30 r90; Top Overlay "-" at 1069.72,2132.56 h30 r90; Top Overlay "~" at 1207.52,2131.57 h30 r90; Top Overlay "+" at 1069.72,2234.92 h30 r90
U5_IN2: Top Overlay "-" at 1397.56,1850.28 h30; Top Overlay "~" at 1498.94,1712.48 h30; Top Overlay "~" at 1396.57,1712.48 h30; Top Overlay "+" at 1499.92,1850.28 h30
U5_IN3: Top Overlay "~" at 1710.74,1712.48 h30; Top Overlay "~" at 1813.1,1712.48 h30; Top Overlay "-" at 1711.73,1850.28 h30; Top Overlay "+" at 1814.09,1850.28 h30
U5_IN4: Top Overlay "-" at 2025.89,1850.28 h30; Top Overlay "~" at 2024.91,1712.48 h30; Top Overlay "+" at 2128.25,1850.28 h30; Top Overlay "~" at 2127.27,1712.48 h30
U5_IN5: Top Overlay "-" at 2340.06,1850.28 h30; Top Overlay "~" at 2441.44,1712.48 h30; Top Overlay "+" at 2442.42,1850.28 h30; Top Overlay "~" at 2339.07,1712.48 h30
U5_IN6: Top Overlay "~" at 2755.6,1712.48 h30; Top Overlay "+" at 2756.59,1850.28 h30; Top Overlay "-" at 2654.23,1850.28 h30; Top Overlay "~" at 2653.24,1712.48 h30
U5_IN7: Top Overlay "~" at 3069.77,1712.48 h30; Top Overlay "+" at 3070.75,1850.28 h30; Top Overlay "-" at 2968.39,1850.28 h30; Top Overlay "~" at 2967.41,1712.48 h30
U5_IN8: Top Overlay "~" at 3383.94,1712.48 h30; Top Overlay "-" at 3282.56,1850.28 h30; Top Overlay "+" at 3384.92,1850.28 h30; Top Overlay "~" at 3281.57,1712.48 h30